# KiCad board JumperlessV5r7.kicad_pcb (continued)
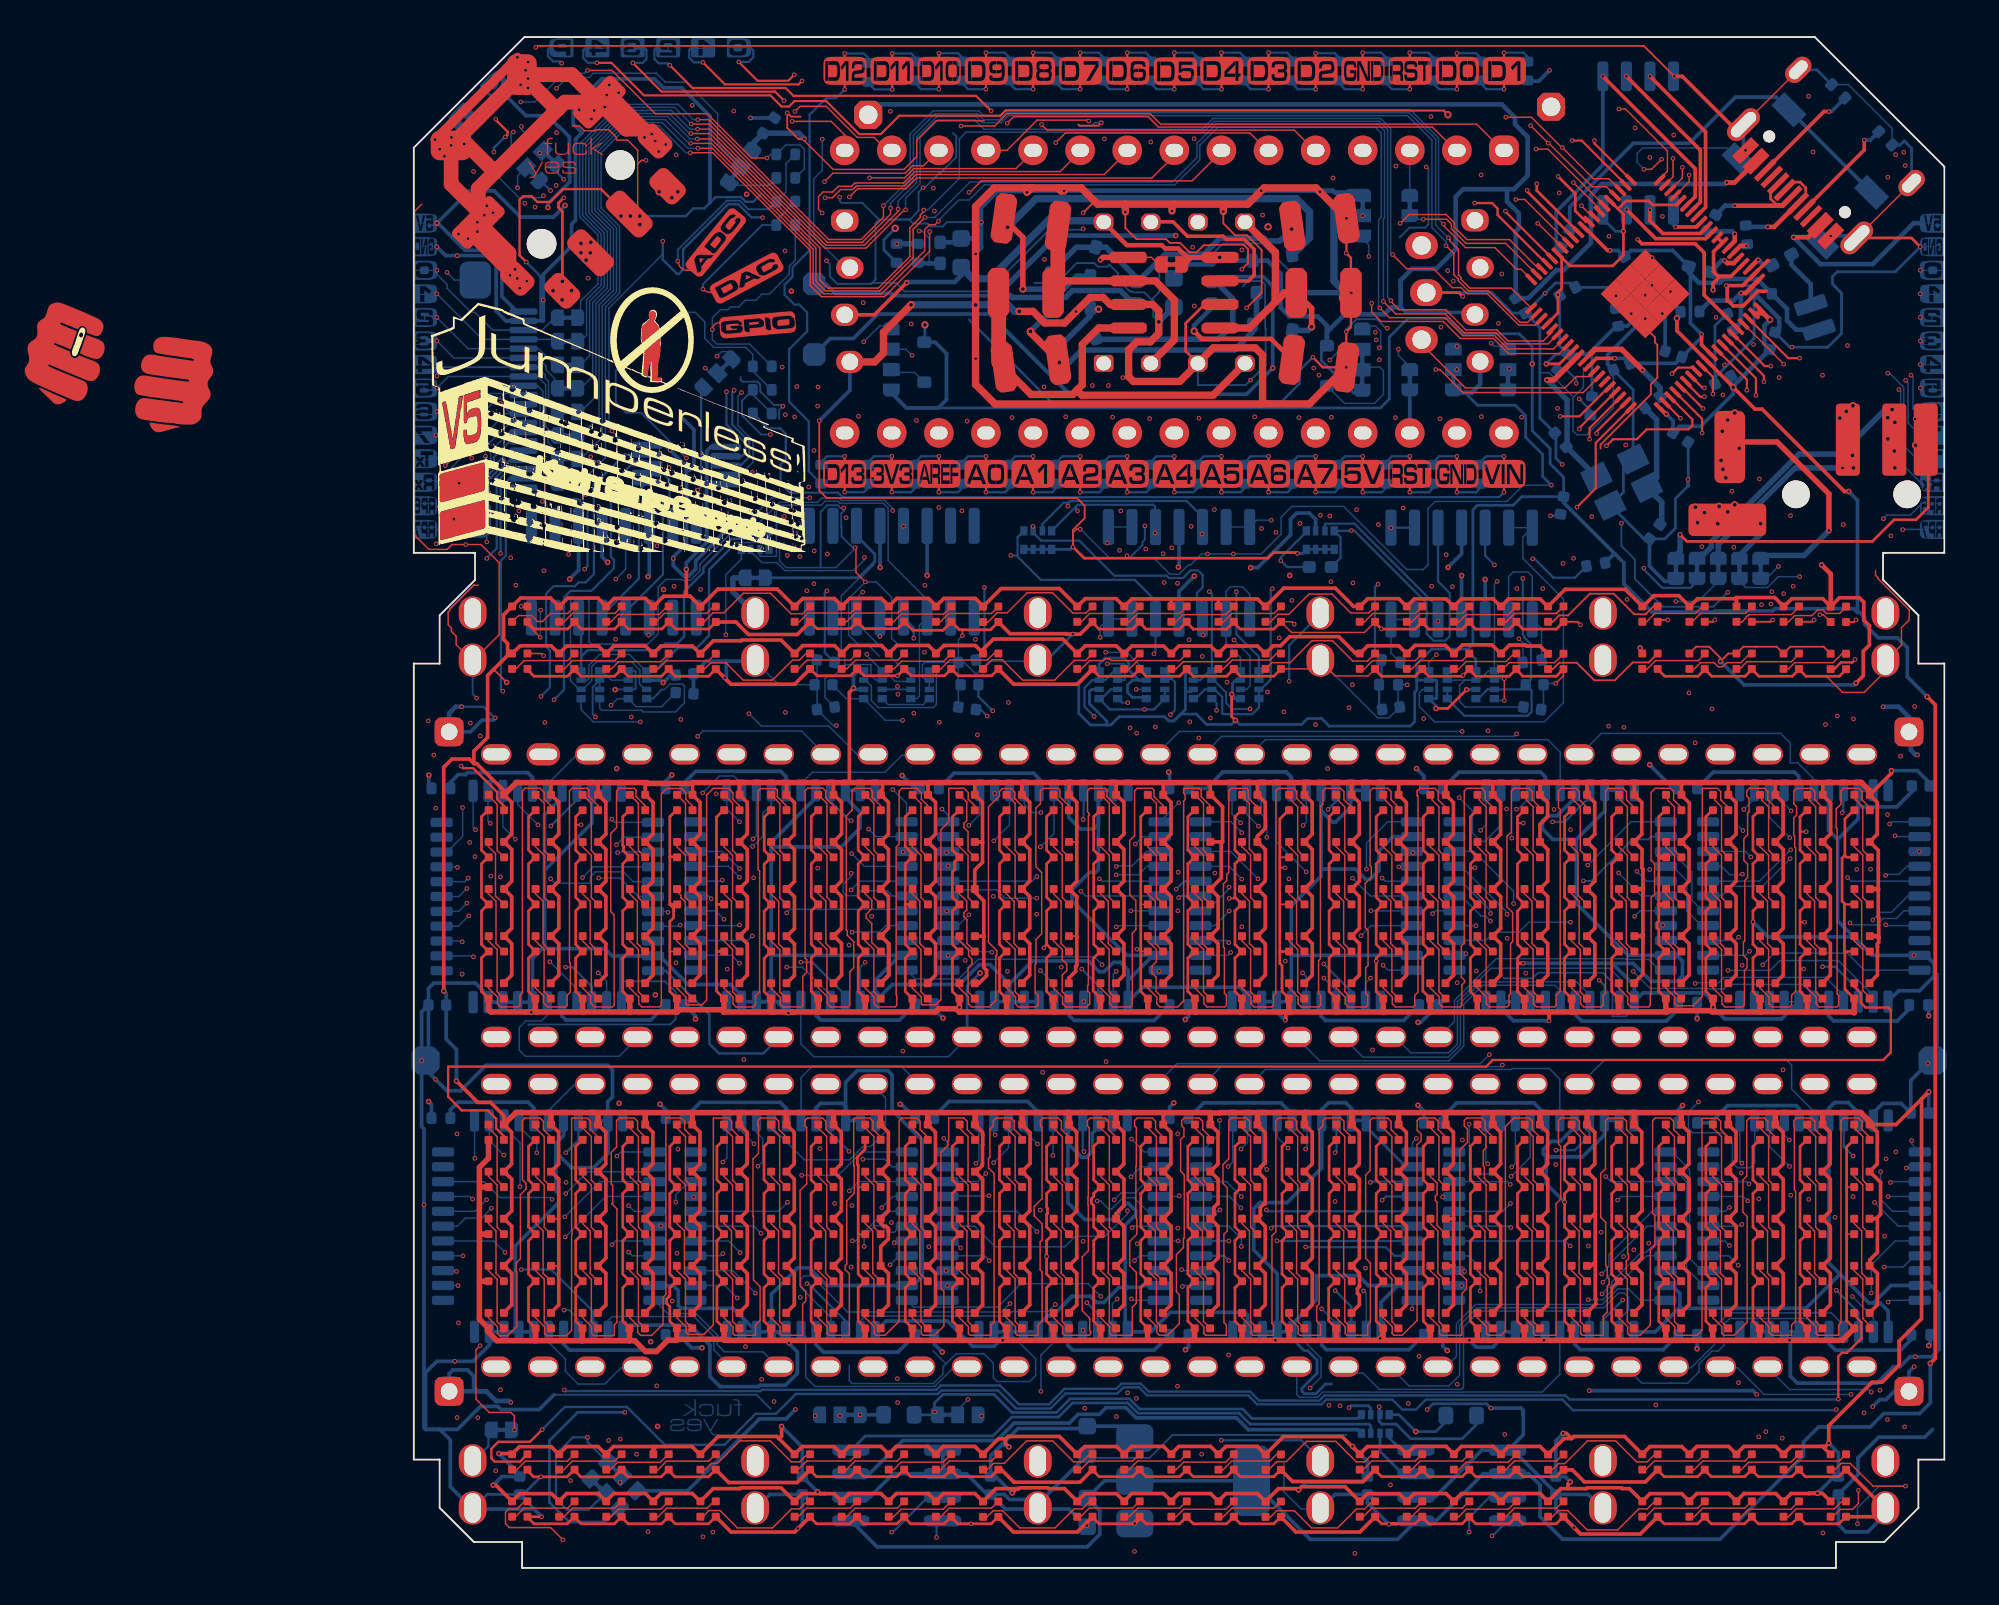
[diagram p0: board, top side]
## Routing (per net, layer and track width the routed paths; a pad name or vN(x,y) marks a point on that pad's centre or on a via; arc(x,y) is an arc through that point) (continued)
CS_F: length 99.7
  Top w0.12: U5.42 v1(68.33,61.99)
  In1.Cu w0.12: v1(68.33,61.99) 68.14,61.81 61.69,61.81 60.95,62.55 37.79,62.55 37.72,62.62 21.81,62.62 v1(21.78,62.65)
  In2.Cu w0.12: v1(21.78,62.65) 21.63,62.49 21.63,62.01 21.5,61.88 21.5,60.85 21.87,60.48 21.87,60.05 21.87,60.04 21.87,52.86 21.05,52.04 21.05,37.58 21.21,37.43 v1(21.21,15.33)
  Bottom w0.12: v1(21.21,15.33) 21.28,15.33 23.29,13.32 F5.14
CS_G: length 57.9
  Top w0.12: v1(64.33,60.51) 64.68,60.87 65.96,60.87 66.5,61.4 68.76,61.4 68.96,61.6 68.96,61.93 67.77,63.12 U5.43
  In2.Cu w0.1: 63.25,46.75 63.25,46.79 62.22,47.81 62.22,52.18 63.25,53.2
  In2.Cu w0.12: 63.25,46.75 63.25,45.65 64.26,44.64 64.25,44.62 64.25,21.44 64.01,21.21 64.01,20.97 64.32,20.66 64.32,17.04 64.25,16.98 64.25,16.33 65.21,15.38 v1(65.21,14.44) ; 63.25,53.2 64.57,54.53 64.57,60.28 v1(64.33,60.51)
  Bottom w0.12: v1(65.21,14.44) 64.21,13.45 G1.14
CS_H: length 66.1
  Top w0.12: U5.44 69.49,61.96 v1(69.49,61.2)
  In1.Cu w0.1: v1(76.78,45.94) 75.53,47.18 v1(68.77,47.18)
  In1.Cu w0.12: v1(69.49,61.2) 69.54,61.15 ; 76.75,45.97 v1(76.78,45.94)
  In2.Cu w0.1: 68.77,52.52 68.77,51.54 68.43,51.19 68.28,51.19 67.95,50.86 67.51,50.86 67.26,51.11 65.48,51.11 65.07,50.71 65.07,48.95 65.76,48.27 65.99,48.27 67.07,47.18 v1(68.77,47.18) 68.8,47.16
  In2.Cu w0.12: v1(76.78,45.94) 76.77,45.94 76.77,30.09 76.55,29.87 76.55,24.98 76.15,24.59 76.15,15.54 v1(76.73,14.97) ; v1(69.49,61.2) 69.36,61.08 69.36,58.53 68.77,57.94 68.77,52.52
  Bottom w0.12: v1(76.73,14.97) 77.92,13.77 H1.14
CS_I: length 69.7
  Top w0.12: U5.45 68.52,63.5 68.56,63.5 v1(69.54,62.52)
  In1.Cu w0.12: v1(69.54,62.52) 68.66,63.4 62.77,63.4 62.66,63.29 38.09,63.29 37.98,63.4 36.97,63.4 v1(36.6,63.76)
  In2.Cu w0.12: v1(36.03,32.3) 36.03,33.19 36.29,33.45 36.29,39.74 36.39,39.84 36.39,41.01 36.25,41.15 36.25,55.72 37.19,56.66 37.19,61.89 37.16,61.92 37.16,63.21 v1(36.6,63.76)
  Bottom w0.12: I1.14 36.93,31.39 v1(36.03,32.3)
CS_J: length 85.9
  Top w0.12: U5.46 68.61,63.93 69.39,63.16 v1(69.61,63.16)
  In1.Cu w0.12: v1(37.47,63.76) 37.64,63.59 38.06,63.59 38.17,63.48 62.58,63.48 62.69,63.59 69.18,63.59 v1(69.61,63.16)
  In2.Cu w0.12: v1(36.31,14.3) 36.45,14.44 36.45,24.7 36.23,24.92 36.23,29.88 36.45,30.1 36.45,32.46 36.59,32.6 36.59,43.44 36.44,43.59 36.44,54.85 37.37,55.78 37.37,56.58 37.39,56.59 37.39,61.97 37.37,61.98 37.37,63.67 v1(37.47,63.76)
  Bottom w0.12: v1(36.31,14.3) 36.88,13.72 J6.14
CS_K: length 75.6
  Top w0.12: U5.47 69.51,63.64 v1(69.61,63.64)
  In1.Cu w0.12: v1(69.61,63.64) 69.36,63.89 63.39,63.89 62.91,64.37 60.02,64.37 59.52,63.87 49.27,63.87 v1(48.82,64.32)
  In2.Cu w0.12: v1(49.7,14.95) 48.8,15.85 48.8,44.68 49.8,45.67 49.8,63.34 v1(48.82,64.32)
  Bottom w0.12: v1(49.7,14.95) 50.57,14.08 K1.14
CS_L: length 58.1
  Top w0.12: U5.48 69.37,64.35 68.99,64.73 68.19,64.73 v1(67.86,64.4)
  In1.Cu w0.12: v1(48.54,64.7) 49.04,64.7 49.4,64.34 54.13,64.34 54.41,64.06 59.44,64.06 59.94,64.57 62.99,64.57 63.34,64.22 67.68,64.22 v1(67.86,64.4)
  In2.Cu w0.12: v1(49.08,32.57) 49,32.65 49,44.57 49.99,45.56 49.99,63.68 48.97,64.7 v1(48.54,64.7)
  Bottom w0.12: L1.14 50.53,31.12 v1(49.08,32.57)
CURR_SENSE+: length 43.8
  In1.Cu w0.15: v1(20.59,8.55) 23.8,8.55 v1(24.08,8.26) 24.35,8.26 24.5,8.11 29.89,8.11 30.25,8.47 35.95,8.47 36.1,8.31 37.03,8.31 37.39,8.67 38.67,8.67 38.87,8.47 50.27,8.47 v1(50.44,8.64)
  Bottom w0.15: RN2.6 51.61,8.62 51.49,8.75 50.55,8.75 v1(50.44,8.64)
  Bottom w0.2: v1(24.08,8.26) 24.09,8.25 JP5.1 R1.1 ; U12.4 14.77,4.16 18.64,8.03 20.07,8.03 v1(20.59,8.55)
CURR_SENSE-: length 56
  In1.Cu w0.15: v1(28.09,8.41) 25.66,8.41 25.22,8.85 20.02,8.85 19.81,8.64 11.71,8.64 11.46,8.39 v1(11.38,8.39)
  Bottom w0.15: RN2.5 50.91,8.06 45.21,8.06 44.7,8.57 39.15,8.57 38.6,9.12 35.4,9.12 34.66,8.38 32.27,8.38 31.29,9.36 28.55,9.36 28.09,8.89 JP6.1 ; 26.99,8.22 R1.2 27.94,8.25 v1(28.09,8.41) ; U12.5 11.1,3.26 10.31,2.47 8.38,2.47 7.32,3.54 7.32,6.87 8.84,8.39 v1(11.38,8.39)
D0: length 88.6
  Top w0.08: 56.26,76.38 54.94,77.7 40.16,77.7 39.6,78.26 32.36,78.26 v1(32,77.91)
  In2.Cu w0.08: v1(32,77.91) 32,75.66 28.91,72.57 28.91,67.61 28.89,67.59 28.89,63.37 29.94,62.32 31.62,62.32 32,61.93 32,58.29 31.65,57.93 31.65,45.23 30.97,44.55 30.97,42.54 30.65,42.22 30.65,33.13 31.02,32.76 31.02,30.81 30.86,30.65 30.86,25.26 30.58,24.99 30.58,21.54 v1(30.85,21.27)
  Bottom w0.08: v1(30.85,21.27) 30.42,20.83 J6.31
D1: length 72.1
  Top w0.08: 58.8,76.38 57.32,77.86 40.28,77.86 39.72,78.41 31.99,78.41 31.33,77.76 v1(29.51,77.76)
  In2.Cu w0.08: v1(29.51,77.76) 29.79,77.48 29.79,74.4 29.68,74.28 29.68,74.24 28.55,73.11 28.55,72.61 28.56,72.61 28.56,72.26 28.55,72.25 28.55,62.72 29.46,61.81 29.46,57.59 28.61,56.73 28.61,41.27 28.87,41.01 28.87,39.23 28.47,38.82 28.47,38.23 v1(28.83,37.87)
D2: length 88.1
  Top w0.08: 48.64,76.38 47.48,77.54 34.16,77.54 v1(33.86,77.83)
  In2.Cu w0.08: v1(33.86,77.83) 33.02,77.83 32.36,77.17 32.36,75.19 29.36,72.19 29.36,63.71 30.41,62.67 33.75,62.67 34.61,61.81 34.61,46.16 33.43,44.97 33.43,41.48 32.78,40.83 32.78,36.87 33.35,36.3 33.35,32.32 33.5,32.17 33.5,24.63 33.35,24.48 33.35,18.43 33.61,18.17 v1(33.61,18.14)
  Bottom w0.08: v1(33.61,18.14) 32.52,19.23 J6.29
D3: length 65.6
  Top w0.08: 46.1,76.38 45.1,77.38 35.14,77.38 v1(34.62,76.86)
  In2.Cu w0.08: v1(33.6,36.12) 33.6,36.38 33.15,36.83 33.15,40.97 33.58,41.4 33.58,44.83 34.77,46.02 34.77,61.96 33.84,62.88 30.55,62.88 29.57,63.86 29.57,72.17 32.02,74.63 33.05,74.63 34.57,76.16 34.57,76.8 v1(34.62,76.86)
  Bottom w0.08: v1(33.6,36.12) 31.88,36.12 31.44,36.56 29.51,36.56 29.18,36.23 I1.28
D4: length 77
  Top w0.08: v1(29.95,74.17) 29.99,74.17 30.61,74.8 41.98,74.8 43.56,76.38
  In2.Cu w0.08: v1(29.95,74.17) 29.95,74.13 28.73,72.91 28.73,63.02 29.59,62.16 31.47,62.16 31.84,61.79 31.84,58.35 31.49,58 31.49,45.53 30.81,44.85 30.81,42.61 30.49,42.29 30.49,33.06 30.86,32.69 30.86,31.05 28.85,29.04 28.85,23.98 29.2,23.64 29.2,17.56 v1(29.5,17.26)
  Bottom w0.08: v1(29.5,17.26) 29.12,17.63 J6.27
D5: length 66.2
  Top w0.08: v1(23.5,73.93) 23.94,74.37 26.54,74.37 27.12,74.95 39.81,74.95 41.02,76.16 41.02,76.38
  In1.Cu w0.08: v1(24.7,35.14) 24.7,35.14 29.86,35.14 v1(29.93,35.22)
  In2.Cu w0.08: v1(24.7,35.14) 24.76,35.2 24.76,40.09 23.75,41.1 23.75,44.69 24.7,45.64 24.7,51.35 24.99,51.64 24.99,53.24 24.57,53.66 24.57,62.24 24.93,62.6 24.93,72.98 23.98,73.93 v1(23.5,73.93)
  Bottom w0.08: v1(29.93,35.22) 29.35,34.63 I1.26
D6: length 92
  Top w0.08: v1(22.18,73.89) 22.58,73.89 23.02,74.33 23.68,74.33 23.88,74.53 26.48,74.53 27.09,75.14 37.24,75.14 38.48,76.38
  In1.Cu w0.08: v1(37.78,19.85) 37.56,19.63 37.56,19.62 37.47,19.53 34.25,19.53 34.05,19.73 33.63,19.73 33.53,19.63 25.41,19.63 25.35,19.69 23.78,19.69 v1(23.63,19.54)
  In2.Cu w0.08: v1(23.63,19.54) 23.77,19.68 23.77,33.7 24.02,33.95 24.02,40.21 23.59,40.64 23.59,47.13 23.43,47.29 23.43,56.06 23.58,56.21 23.58,56.94 24.42,57.77 24.42,62.31 24.78,62.67 24.78,72.91 24.02,73.67 22.63,73.67 22.41,73.89 v1(22.18,73.89)
  Bottom w0.08: v1(37.78,19.85) 38.15,20.22 38.89,20.22 39.5,20.83 J6.3
D7: length 71.1
  Top w0.08: v1(22.03,73.07) 21.83,73.26 21.83,73.95 22.07,74.2 22.59,74.2 22.9,74.5 23.61,74.5 23.79,74.68 26.42,74.68 27.03,75.3 34.86,75.3 35.94,76.38
  In1.Cu w0.08: v1(37.89,37.37) 37.56,37.7 33.03,37.7 32.93,37.6 23.82,37.6 23.69,37.74 v1(21.78,37.74)
  In2.Cu w0.08: v1(22.03,73.07) 22.13,72.96 22.13,70.74 21.88,70.48 21.88,64.21 22.13,63.96 22.13,61.57 22.05,61.48 22.05,52.78 21.26,52 21.26,38.26 v1(21.78,37.74)
  Bottom w0.08: I1.4 39.54,37.83 39.09,37.38 37.9,37.38 v1(37.89,37.37)
D8: length 90.5
  Top w0.08: v1(24.59,74.96) 26.47,74.96 26.97,75.46 32.48,75.46 33.4,76.38
  In1.Cu w0.08: v1(36.85,19.79) 36.81,19.83 34.18,19.83 34.12,19.89 33.57,19.89 33.48,19.8 25.47,19.8 25.36,19.91 22.96,19.91 v1(22.7,19.65)
  In2.Cu w0.08: v1(24.59,74.96) 22.31,74.96 22.26,75.02 22.04,75.02 21.91,74.89 21.91,73.79 22.18,73.52 23.95,73.52 24.62,72.85 24.62,62.73 24.26,62.37 24.26,60.58 23.88,60.2 22.7,60.2 22.36,59.86 22.36,54.98 23.07,54.28 23.07,47.14 23.19,47.02 23.19,43.56 22.91,43.27 22.91,29.65 23.27,29.29 23.27,25.55 22.7,24.98 v1(22.7,19.65)
  Bottom w0.08: v1(36.85,19.79) 37.04,19.79 37.47,19.36 37.66,19.36 38.26,19.96 38.85,19.96 39.58,19.23 J6.5
D9: length 63.3
  Top w0.08: A1.12 31.99,76.44 33.62,78.07 36.35,78.07 v1(36.4,78.02)
  In2.Cu w0.08: v1(35.98,36.49) 35.59,36.89 35.59,43.23 35.93,43.57 35.93,55.66 37.02,56.75 37.02,61.81 35.65,63.18 30.56,63.18 29.77,63.96 29.77,72.09 32.13,74.45 33.38,74.45 34.89,75.96 34.89,76.9 36,78.02 v1(36.4,78.02)
  Bottom w0.08: 30.86,76.38 31.59,76.38 ; v1(35.98,36.49) 36.24,36.23 I1.6
D10: length 81.3
  Top w0.08: v1(22.15,74.75) 22.6,75.21 26.5,75.21 26.9,75.61 27.49,75.61 A1.13 ; 28.32,76.38 27.67,76.38
  In1.Cu w0.08: v1(25.76,18.63) 25.77,18.62 38.47,18.62 v1(38.75,18.35)
  In2.Cu w0.08: v1(25.76,18.63) 25.95,18.81 25.95,41.71 26.1,41.87 26.1,42.14 26.09,42.15 26.09,42.17 25.76,42.5 25.76,44.74 24.86,45.63 24.86,51.28 25.15,51.57 25.15,53.31 24.72,53.73 24.72,62.18 25.08,62.54 25.08,73.1 23.43,74.75 v1(22.15,74.75)
  Bottom w0.08: J6.6 38.83,18.43 v1(38.75,18.35)
D11: length 71.8
  Top w0.08: A1.14 25.52,76.44 24.83,77.14 23.92,77.14 22.24,78.82 20.84,78.82 v1(20.56,78.54)
  In1.Cu w0.08: v1(36.98,37.16) 36.6,37.54 33.09,37.54 32.87,37.32 23.82,37.32 23.72,37.21 v1(18.33,37.21)
  In2.Cu w0.08: v1(18.33,37.21) 18.54,37.42 18.54,45.78 19.49,46.73 19.49,63.79 20.94,65.24 20.94,72.04 19.77,73.21 19.77,77.75 v1(20.56,78.54)
  Bottom w0.08: v1(36.98,37.16) 37.1,37.03 I1.5
D12: length 105.7
  Top w0.08: 23.24,76.38 23.24,77.28 22.51,78.01 v1(20.41,78.01)
  In1.Cu w0.08: v1(18.76,10.17) 19.18,9.76 41.15,9.76 v1(41.19,9.8)
  In2.Cu w0.08: v1(20.41,78.01) 19.92,77.52 19.92,73.28 21.09,72.1 21.09,65.18 19.65,63.73 19.65,46.36 18.69,45.4 18.69,21.9 18.98,21.61 18.98,14.24 18.64,13.9 18.64,10.29 v1(18.76,10.17) ; v1(41.19,9.8) 41.25,9.86 41.25,11.36 40.97,11.64 40.97,15.64 40.9,15.72 40.9,17.3 v1(41.23,17.64)
  Bottom w0.08: J6.7 41.23,17.63 v1(41.23,17.64)
D13: length 44.4
  In1.Cu w0.08: v1(22.31,54.68) 22.32,54.69 23.86,54.69 24.19,55.03 35.23,55.03 35.47,54.79 37.99,54.79 v1(38.07,54.87)
  In2.Cu w0.08: v1(38.07,54.87) 38.07,45.34 38.59,44.82 38.59,43.46 38.47,43.35 38.47,35.63 v1(38.67,35.43) ; v1(22.31,54.68) 22.2,54.78 22.2,60.29 23.06,61.14 23.24,61.14
  Bottom w0.08: v1(38.67,35.43) I1.7
DAC_0: length 133.4
  In1.Cu w0.12: v1(4.42,5.24) 5.31,4.34 21.55,4.34 21.63,4.42 34.22,4.42 34.31,4.5 47.93,4.5 48.14,4.29 52.5,4.29 v1(52.68,4.48)
  In2.Cu w0.12: v1(52.07,8.69) 51.68,9.08 51.68,19.28 v1(52.23,19.83) ; v1(4.8,47.28) 4.8,45.63 4.62,45.45 3.48,45.45 3.08,45.04 3.08,44.15 1.98,43.05 1.98,24.58 1.47,24.07 1.47,11.79 0.71,11.03 0.71,8.62 1.71,7.62 2.67,7.62 3.27,7.02 3.61,7.02 4.23,6.4 4.23,5.94 4.42,5.75 v1(4.42,5.24)
  In2.Cu w0.15: v1(52.07,8.69) 52.68,8.08 v1(52.68,4.48)
  Bottom w0.12: RN2.7 52.11,8.65 v1(52.07,8.69) ; v1(52.23,19.83) 52.43,20.03 K1.4 ; J5.19 5.17,58.75 4.97,58.55 4.97,54.59 4.7,54.32 4.7,47.38 v1(4.8,47.28)
  Bottom w0.15: v1(52.07,8.69) 52.07,7.91 52.22,7.75 52.98,7.75 53.77,6.97 56.55,6.97 57.32,7.74 R57.2
DAC_0_OUT: length 8.3
  Bottom w0.12: U10.13 10.16,51.37 12.14,53.35 12.14,58.11 U1806.6
DAC_1: length 110.2
  In1.Cu w0.12: v1(8.21,20.79) v1(51.59,20.79)
  In2.Cu w0.12: v1(9.21,53.86) 9.21,51.66 8.46,50.91 8.46,21.03 v1(8.21,20.79) 8.57,20.44 8.57,7.85 v1(9.37,7.04)
  Bottom w0.12: U12.2 9.37,6.79 v1(9.37,7.04) 8.59,7.04 7.67,6.13 7.67,3.72 8.25,3.13 9.42,3.13 U12.6 ; J5.20 6.23,57.94 7.12,57.94 7.42,57.64 7.49,57.64 7.49,57.64 8.84,57.64 9.37,57.11 9.37,54.02 v1(9.21,53.86) ; v1(51.59,20.79) 51.63,20.83 K1.3
DAC_1_OUT: length 9.8
  Bottom w0.12: U10.12 11.43,51.57 13.44,53.58 13.44,57.41 13.79,57.77 13.79,58.68 13.44,59.04 U1806.7
DAC_2_OUT: length 39.3
  In1.Cu w0.12: v1(26.11,47.11) 25.83,46.83 7.58,46.83 v1(7.57,46.82)
  In2.Cu w0.12: v1(25.14,50.23) 25.14,49.54 25.48,49.2 25.48,47.74 v1(26.11,47.11)
  Bottom w0.12: U1807.13 25.15,50.23 v1(25.14,50.23) ; v1(7.57,46.82) 8.1,47.35 8.1,52.33 8.46,52.69 9.58,52.69 10.79,53.91 10.79,54.36 10.63,54.53 10.63,58.39 11.78,59.54 U1806.8
DAC_3_OUT: length 43.3
  In1.Cu w0.12: v1(26.97,46.09) 26.6,46.45 12.45,46.45 12.25,46.24 7.61,46.24 v1(6.86,47)
  In2.Cu w0.12: v1(26.97,50.13) 26.97,47.69 26.97,47.69 v1(26.97,46.09)
  Bottom w0.12: U1807.12 26.97,50.7 v1(26.97,50.13) ; U1806.9 11.38,60.04 10.63,59.29 10.59,59.29 9.71,58.42 9.71,53.59 9.27,53.14 8.89,53.14 8.69,52.94 7.54,52.94 7.14,52.53 7.14,49.69 7.34,49.49 7.34,47.48 v1(6.86,47)
DATA: length 231.5
  Top w0.08: v1(59.44,73.79) 59.92,73.79 U5.13
  In1.Cu w0.08: v1(74.2,21.65) 74.11,21.55 61.88,21.55 61.81,21.49 59.35,21.49 v1(59.22,21.62) 59.08,21.49 v1(46.01,21.49) 45.91,21.38 38.84,21.38 38.79,21.43 31.7,21.43 v1(31.28,21.85) 30.99,21.56 18.66,21.56 v1(18.56,21.66) 18.53,21.62 6.79,21.62 v1(5.73,20.56) ; v1(5.48,39.3) 5.54,39.36 9.79,39.36 10.15,39.72 17.89,39.72 v1(18.29,39.31) 18.34,39.36 31.14,39.36 v1(31.28,39.21) 31.53,39.46 38.7,39.46 38.74,39.51 39.1,39.51 39.14,39.46 39.17,39.46 39.27,39.36 45.98,39.36 v1(46.01,39.39) 46.05,39.36 v1(59.22,39.36) 74.19,39.36 v1(74.21,39.38)
  In2.Cu w0.08: 59.22,41.33 v1(59.22,39.36) 59.58,38.99 59.58,31.16 59.13,30.71 59.13,21.7 v1(59.22,21.62) ; v1(59.44,73.79) 59.09,73.79 58.61,73.32 58.61,72.89 59.37,72.13 59.37,64.86 60.09,64.15 60.09,58.74
  In2.Cu w0.1: 60.09,58.74 60.09,46.13 58.9,44.94 58.9,41.84 59.03,41.71 59.03,41.52 59.22,41.33
  Bottom w0.08: E1.36 4.88,23.78 5.73,22.93 v1(5.73,20.56) ; 73.1,41.94 73.1,40.49 v1(74.21,39.38) ; v1(5.48,39.3) 4.8,39.97 A2.36 ; K1.36 45.77,21.73 v1(46.01,21.49) ; C26.36 59.22,41.72 v1(59.22,39.36) ; v1(31.28,39.21) 32.13,40.06 I1.36 ; v1(74.2,21.65) 73.12,22.73 H1.36 ; v1(18.29,39.31) 18.48,39.49 B1.36 ; G1.36 59.41,21.81 v1(59.22,21.62) ; v1(46.01,39.39) 46.01,40.36 45.7,40.67 45.7,41.9 L1.36 ; v1(31.28,21.85) 32.08,22.66 J6.36 ; v1(18.56,21.66) 18.82,21.92 18.82,23.15 18.49,23.48 F5.36
DI: length 51.2
  In1.Cu w0.08: v1(33.8,38.88) 34.22,39.3 38.76,39.3 38.81,39.35 39.03,39.35 39.08,39.3 39.1,39.3 39.36,39.05 80.79,39.05 v1(81.2,38.64)
  Bottom w0.08: I1.39 34.53,39.61 v1(33.8,38.88)
DJ: length 64.7
  In1.Cu w0.08: v1(79.41,22.06) 79.18,21.83 77.36,21.83 76.93,22.26 57.49,22.26 57.37,22.14 34.57,22.14 v1(34.47,22.24)
  In2.Cu w0.08: v1(79.41,22.06) 79.41,33.21 79.66,33.46 79.66,37.07 v1(79.38,37.35)
  Bottom w0.08: J6.39 34.48,22.26 v1(34.47,22.24) ; 81.2,37.84 80.53,37.84 80.1,37.4 79.44,37.4 v1(79.38,37.35)
DK: length 52.1
  In1.Cu w0.08: v1(79.94,22.43) 79.58,22.79 61.49,22.79 61.42,22.71 48.23,22.71 v1(48.1,22.58)
  In2.Cu w0.08: v1(79.89,39.48) 79.98,39.39 79.98,22.48 v1(79.94,22.43)
  Bottom w0.08: v1(48.1,22.58) 48.17,22.66 K1.39 ; 81.2,39.44 79.94,39.44 v1(79.89,39.48)
DL: length 42.2
  In1.Cu w0.08: v1(79.49,40.62) 78.92,40.06 61.63,40.06 61.54,39.97 61.32,39.97 61.24,40.04 61.02,40.04 60.65,39.67 59.46,39.67 59.37,39.76 58.28,39.76 58,40.04 v1(47.96,40.04)
  In2.Cu w0.08: v1(79.38,34.68) 79.06,35 79.06,40.2 v1(79.49,40.62)
  Bottom w0.08: L1.39 48.13,40.21 v1(47.96,40.04) ; v1(79.38,34.68) 79.43,34.64 81.2,34.64
EI: length 39.3
  In1.Cu w0.08: v1(33.8,19.3) 33.8,19.23 33.77,19.2 25.35,19.2 25.29,19.14 25.03,19.14 24.97,19.2 11.92,19.2 v1(11.59,19.53)
  In2.Cu w0.08: v1(33.8,32.21) 33.66,32.06 33.66,23.64 33.95,23.34 33.95,22.69 33.58,22.32 33.58,19.45 33.73,19.3 v1(33.8,19.3)
  Bottom w0.08: E1.5 11.89,19.23 v1(11.59,19.53) ; v1(33.8,32.21) 34.53,31.48 I1.17
EJ: length 33.3
  In1.Cu w0.08: v1(13.1,9.82) 13.33,9.58 33.76,9.58 v1(33.83,9.52)
  In2.Cu w0.08: v1(13.32,18.45) 13.1,18.23 v1(13.1,9.82)
  Bottom w0.08: v1(33.83,9.52) 33.83,11.48 34.48,12.13 J6.17 ; v1(13.32,18.45) 13.04,18.45
EK: length 60.4
  In1.Cu w0.08: v1(48.35,9.7) 48.03,9.38 38.81,9.38 38.62,9.19 30.21,9.19 29.98,9.42 26,9.42 25.91,9.33 4.95,9.33 v1(4.67,9.61)
  In2.Cu w0.08: v1(4.67,9.61) 4.39,9.61 3.17,10.83 v1(3.17,19.89)
  Bottom w0.08: K1.17 48.17,12.07 48.93,11.31 48.93,10.29 v1(48.35,9.7) ; E1.30 3.04,20.03 v1(3.17,19.89)
EL: length 63.9
  In1.Cu w0.08: v1(2.61,32.01) 3.14,31.48 18.29,31.48 18.4,31.37 40.66,31.37 41.1,31.81 47.66,31.81 v1(47.94,32.09)
  In2.Cu w0.08: v1(2.61,32.01) 2.79,31.84 2.79,23.64 2.65,23.5 v1(2.65,16.83)
  Bottom w0.08: v1(47.94,32.09) 48.13,31.89 L1.17 ; E1.26 2.64,16.83 v1(2.65,16.83)
ENC_A: length 68.2
  Top w0.15: v1(8.09,73.89) 7.81,73.61 7.81,73.36 8.02,73.15 SW3.1 ; v1(60.57,74.64) 60.57,74.28 U5.11
  Top w0.3: SW3.1 v3(7.51,68.87)
  In1.Cu w0.15: v1(60.57,74.64) 60,74.64 59.77,74.42 49.38,74.42 49.25,74.54 28.58,74.54 28.17,74.13 27.23,74.13 26.9,74.45 21.73,74.45 21.23,73.95 18.74,73.95 17.6,75.09 13.18,75.09 12.12,74.03 8.23,74.03 v1(8.09,73.89)
  Bottom w0.15: v3(8.51,68.88) 8.53,68.91
  Bottom w0.3: 8,69.27 7.91,69.27 v3(7.51,68.87) ; 8,69.27 7.87,69.39 ; 8,69.27 v3(8,68.38) ; 8,69.27 8.13,69.27 v3(8.51,68.88) ; v3(8.51,68.88) 7.53,68.88 v3(7.51,68.87) ; v3(8.51,68.88) v3(8,68.38) ; v3(7.51,68.87) v3(8,68.38)
  vias: v3(8.02,69.38)
ENC_B: length 54.3
  Top w0.15: U5.12 60.06,74.22 v1(60.06,74.28)
  Top w0.3: 13.69,75.17 SW3.4 13.92,74.28 v3(13.92,73.89) ; 13.72,74.98 13.39,75.31
  In1.Cu w0.15: v3(14.24,74.21) 14.3,74.27 17.3,74.27 17.85,73.72 21.4,73.72 21.91,74.23 26.81,74.23 27.17,73.87 35.42,73.87 35.42,73.88 56.59,73.88 56.59,73.88 56.76,73.88 57.08,74.19 59.96,74.19 v1(60.06,74.28)
  Bottom w0.3: v3(14.24,74.21) v3(13.92,73.89) 13.6,74.21 v3(13.23,74.21) v3(14.24,74.21) ; v3(14.24,74.21) 14.22,74.22
ENC_PUSH: length 43.2
  Top w0.15: U5.9 63.23,72.59 62.65,73.17 62.65,74.11 v1(61.72,75.03)
  In1.Cu w0.15: v1(28.02,74.4) 28.38,74.76 49.35,74.76 49.47,74.64 59.61,74.64 60,75.03 v1(61.72,75.03)
  In2.Cu w0.08: v1(28.02,74.4) 27.82,74.2 27.82,72.73 27.26,72.18 v1(27.26,72.09)
  Bottom w0.08: v1(27.26,72.09) 27.42,72.09 27.8,71.71 27.8,70.35
  Bottom w0.25: R22.2 27.22,70.35 C27.1
EncoderMP: length 80.8
  Top w0.3: SW3.0 10.27,78.78 v1(10.3,78.78) ; v1(5.58,69.53) 5.96,69.53 v1(6.1,69.39) ; v1(6.03,80.76) 6.03,80.73 SW3.0 ; v1(3.43,72.57) 3.44,72.55 SW3.0 3.48,72.11 v1(3.43,72.06)
  Top w0.5: v1(1.14,77.01) v1(5.59,81.46)
  Top w0.8: 7.8,78.7 8.14,79.04 SW3.0 ; 7.8,78.7 4.37,75.27 ; 7.8,78.7 7.66,78.7 SW3.0 ; SW3.0 8.52,80.53 5.83,80.53 SW3.0 ; SW3.0 11.46,77.59 12.38,77.59 ; 12.38,77.59 10.92,79.04 10.57,79.04 v1(10.3,78.78) ; 12.38,77.59 v1(13.02,76.95) ; 4.37,75.27 3.48,74.38 SW3.0 ; 4.37,75.27 2.93,76.71 v1(2.01,76.71) ; v1(2.01,76.71) SW3.0 ; v1(2.01,76.71) 2.01,74.63 3.43,73.21 v1(3.43,72.57) ; SW3.0 5.13,70.9 5.13,69.98 ; SW3.0 3.48,71.63 v1(5.58,69.53)
  Bottom w0.3: v1(2.72,76.79) 2.56,76.63 1.52,76.63 ; v1(2.72,76.79) 2.05,76.12 v1(1.65,76.12) 1.52,76.25 1.52,76.38 v1(1.4,76.5) ; v1(2.72,76.79) 2.38,76.79 v1(2.03,77.14) ; 3.94,73.08 2.79,71.93 v1(2.41,71.93) ; 3.94,73.08 v1(3.94,73.46) ; 3.94,73.08 v1(4.28,73.08) ; v1(12.45,77.14) 12.63,77.32 v1(12.83,77.32) 13.03,77.32 v1(13.59,76.76) ; v1(12.45,77.14) 13.21,77.14 ; v1(12.45,77.14) v1(13.21,76.38) ; v1(6.1,69.39) v1(5.46,70.03) 5.46,69.65 v1(5.58,69.53) 5.58,69.14 ; v1(6.03,80.76) 6.03,79.94 v1(6.16,79.81) v1(6.16,81.2) ; v1(6.03,80.76) 5.59,81.2 v1(5.59,81.46) 5.84,81.2 v1(6.16,81.2) ; v1(6.03,80.76) 6.22,80.95 ; v1(6.16,81.2) 6.16,81.14 5.91,80.89 ; v1(2.03,77.14) 2.03,76.73 v1(2.01,76.71) 1.71,77.01 v1(1.14,77.01) 1.4,76.76 v1(1.4,76.5) ; v1(2.03,77.14) v1(1.4,76.5) ; 13.4,76.95 v1(13.02,76.95) 13.02,77.33 ; 9.53,78.54 10.54,79.55 ; 9.53,78.54 9.02,78.54 v1(8.92,78.63) 9.42,78.13 v1(9.58,78.13) ; 9.53,78.54 9.53,78.16 ; 10.54,79.55 v1(11.05,79.55) 10.63,79.97 v1(10.54,79.97) 10.54,79.55 ; v1(5.19,69.7) 5.19,69.54 v1(5.71,69.01) ; v1(3.43,72.06) 3.24,72.25 3.11,72.25 ; 6.03,80.25 v1(5.76,79.98) 5.83,79.98 v1(6.16,80.31) 6.16,80.38 6.03,80.51 ; 2.92,72.06 v1(2.92,71.68)
  vias: v1(3.81,72.95) v1(9.73,78.59) v1(10.41,79.43)
FI: length 24.2
  In1.Cu w0.08: v1(25.91,17.53) 26.14,17.76 33.28,17.76 33.43,17.61 v1(36.1,17.61)
  In2.Cu w0.08: v1(36.14,30.54) 36.02,30.42 36.02,22.77 35.88,22.64 35.88,17.83 v1(36.1,17.61)
  Bottom w0.08: v1(25.91,17.53) 26.01,17.63 F5.7 ; I1.15 v1(36.14,30.54)
FJ: length 23.3
  In1.Cu w0.08: v1(26.09,8.92) 29.46,8.92 29.77,8.61 30.12,8.61 30.17,8.66 36.15,8.66 v1(36.19,8.61)
  In2.Cu w0.08: v1(26.09,8.92) 25.76,9.25 25.76,16.26 v1(25.69,16.34) ; v1(36.09,12.81) 36.17,12.73 36.17,8.63 v1(36.19,8.61)
  Bottom w0.08: v1(36.09,12.81) 36.08,12.81 J6.15 ; F5.8 26.18,16.83 v1(25.69,16.34)
FK: length 50.6
  In1.Cu w0.08: v1(49.36,8.77) 49.28,8.85 30.02,8.85 29.95,8.78 29.81,8.78 29.42,9.18 25.98,9.18 25.93,9.13 19.58,9.13 v1(19.43,8.97)
  In2.Cu w0.08: v1(18.73,18.04) 18.73,14.21 18.34,13.82 18.34,10.07 v1(19.43,8.97) ; v1(48.96,13.97) 48.96,9.17 v1(49.36,8.77)
  Bottom w0.08: v1(48.96,13.97) 49.77,13.16 K1.15 ; F5.28 18.34,18.43 v1(18.73,18.04)
FL: length 40.2
  In1.Cu w0.08: v1(49.69,19.76) 38.32,19.76 37.93,19.37 34.19,19.37 33.99,19.56 33.7,19.56 33.7,19.57 33.51,19.39 25.28,19.39 v1(25.24,19.43)
  In2.Cu w0.08: v1(49.69,19.76) 49.17,20.28 49.17,31.72 v1(49.08,31.81)
  Bottom w0.08: v1(25.24,19.43) 25.84,20.03 F5.4 ; v1(49.08,31.81) 49.73,31.16 L1.15
FP/Boost: length 9.2
  Top w0.08: JP31.1 39.79,70.67 U9.1
  Top w0.3: 38.55,70.67 37.17,70.67 v1(37.03,70.54)
  In2.Cu w0.3: v1(37.03,70.54) 37.38,70.19 37.38,65.13 37.22,64.97
  Bottom w0.08: 37.25,65 37.22,64.97
GI: length 39.1
  In1.Cu w0.08: v1(57.31,32.19) 57.27,32.23 48.6,32.23 48.32,32.51 47.65,32.51 47.37,32.23 43.87,32.23 43.64,32.46 38.18,32.46 v1(37.89,32.17)
  In2.Cu w0.08: v1(56.68,15.99) 56.82,16.13 56.82,23.38 56.31,23.88 56.31,24.87 56.62,25.18 56.62,27.72 56.72,27.82 56.72,31.6 v1(57.31,32.19)
  Bottom w0.08: v1(56.68,15.99) 56.63,16.03 G1.25 ; I1.13 37.73,32.01 v1(37.89,32.17)
GJ: length 31.1
  In1.Cu w0.08: v1(56.28,9.9) 56.19,10 48.1,10 47.63,9.54 38.59,9.54 v1(38.5,9.45)
  In2.Cu w0.08: v1(56.51,15.22) 56.18,14.9 56.18,10 v1(56.28,9.9) ; v1(37.94,14.5) 38.02,14.42 38.02,12.04 38.5,11.56 v1(38.5,9.45)
  Bottom w0.08: J6.13 37.68,14.24 v1(37.94,14.5) ; v1(56.51,15.22) 56.51,15.23 G1.24
GK: length 11.5
  In1.Cu w0.08: v1(51.23,14.94) 51.29,14.87 57.45,14.87 v1(57.51,14.94)
  Bottom w0.08: G1.26 56.86,16.83 57.51,16.18 v1(57.51,14.94) ; v1(51.23,14.94) 51.37,14.79 K1.13
GL: length 18.7
  In1.Cu w0.08: v1(56.28,31.56) 51.85,31.56 v1(51.6,31.81)
  In2.Cu w0.08: v1(55.49,20.01) 55.8,20.32 55.8,24.98 56.28,25.46 v1(56.28,31.56)
  Bottom w0.08: G1.30 55.51,20.03 v1(55.49,20.01) ; v1(51.6,31.81) 51.33,31.54 L1.13
GPIO_6: length 130.7
  Top w0.08: v1(58.9,78.23) 60.29,78.23 61.92,76.59 v1(61.95,76.59) 63.63,74.91 64.46,74.91 U5.3
  In1.Cu w0.08: v1(1.4,57.22) 1.84,57.22 3.66,59.04 3.66,59.73 v1(3.87,59.95) ; v1(5.37,77.43) 7.37,77.43 7.6,77.66 7.82,77.66 8.04,77.43 9.9,77.43 12,79.53 20.41,79.53 20.97,78.97 23.62,78.97 24.01,79.36 25.14,79.36 25.45,79.05 58.07,79.05 v1(58.9,78.23) ; v1(61.95,76.59) 70.66,76.59 71.22,76.03 72.01,76.03 72.03,76.05 79.77,76.05 v1(79.93,76.21)
  In2.Cu w0.08: v1(79.27,56.58) 79.14,56.7 79.14,75.43 v1(79.93,76.21) ; v1(5.37,77.43) 5.37,77.11 4.79,76.53 4.79,71.72 3.43,70.36 3.43,60.39 v1(3.87,59.95)
  Bottom w0.08: v1(79.27,56.58) 79.47,56.78 80.72,56.78 81.22,57.27 J8.13 ; J5.13 5.17,61.75 3.87,60.45 v1(3.87,59.95) ; v1(1.4,57.22) 1.29,57.22 J7.13 ; v1(5.37,77.43) 5.26,77.32 U6.4
GPIO_7: length 152.1
  Top w0.08: U5.4 64.32,74.48 63.57,74.48 61.22,76.83 v1(61.19,76.83) v1(60.24,77.78)
  In1.Cu w0.08: v1(18.25,59.07) 4.3,59.07 v1(4.04,59.34) 4.04,58.93 1.21,56.1 v1(1.21,55.22) ; v1(61.19,76.83) 61.65,77.29 62.53,77.29 62.58,77.34 63.66,77.34 64.18,76.82 70.74,76.82 71.35,76.21 71.98,76.21 72.5,76.73 79.97,76.73 v1(80.36,76.34) ; v1(5.8,77.73) 6.03,77.73 7.45,77.73 7.53,77.81 7.88,77.81 7.96,77.73 9.75,77.73 11.86,79.85 20.74,79.85 21.37,79.22 23.42,79.22 23.8,79.61 25.35,79.61 25.7,79.26 58.76,79.26 v1(60.24,77.78)
  In2.Cu w0.08: v1(80.31,55.99) 79.39,56.91 79.39,58.52 79.7,58.83 80,58.83 80.31,59.14 80.31,62.97 79.75,63.53 79.75,75.16 80.15,75.57 80.15,75.81 80.36,76.02 v1(80.36,76.34) ; v1(5.8,77.73) 4.45,77.73 4.02,77.29 4.02,76.83 4.23,76.62 4.43,76.62 4.63,76.41 4.63,71.88 3.23,70.47 3.23,60.09 3.97,59.34 v1(4.04,59.34)
  Bottom w0.08: J7.14 1.49,55.76 1.49,55.5 v1(1.21,55.22) ; v1(5.8,77.73) 5.8,77.58 U6.5 ; J5.14 5.17,61.25 4.14,60.22 4.14,59.45 v1(4.04,59.34) ; v1(80.31,55.99) 80.32,56 J8.14
  Bottom w0.12: 6.14,61.33 5.33,61.33
GPIO_20: length 132.4
  In1.Cu w0.08: v1(81.25,69.97) 80.99,70.24 66.84,70.24 66.31,70.77 60.35,70.77 59.56,71.56 57.79,71.56 57.67,71.68 56.6,71.68 55.86,72.42 55.86,72.62 55.46,73.03 54.11,73.03 53.89,72.81 52.68,72.81 52.38,72.52 51.84,72.52 50.7,71.38 42.17,71.38 v1(42.01,71.22) 41.97,71.19 30.75,71.19 30.63,71.3 26.48,71.3 26.33,71.15 25.96,71.15 25.83,71.28 21.71,71.28 19.33,68.89 18.61,68.89 18.05,68.33 17.14,68.33 16.88,68.08 15.84,68.08 13.81,70.11 11.63,70.11 9.47,67.96 3.26,67.96 v1(1.24,69.97)
  In2.Cu w0.08: v1(43.98,36.71) 43.96,36.73 43.96,37.24 43.95,37.24 43.95,44.5 44.64,45.19 44.64,62.02 43.63,63.03 43.63,69.56 42.01,71.19 v1(42.01,71.22)